# Altium PCB CL-HC-M-V2.1.PcbDoc (part 18 of 19) (continued)
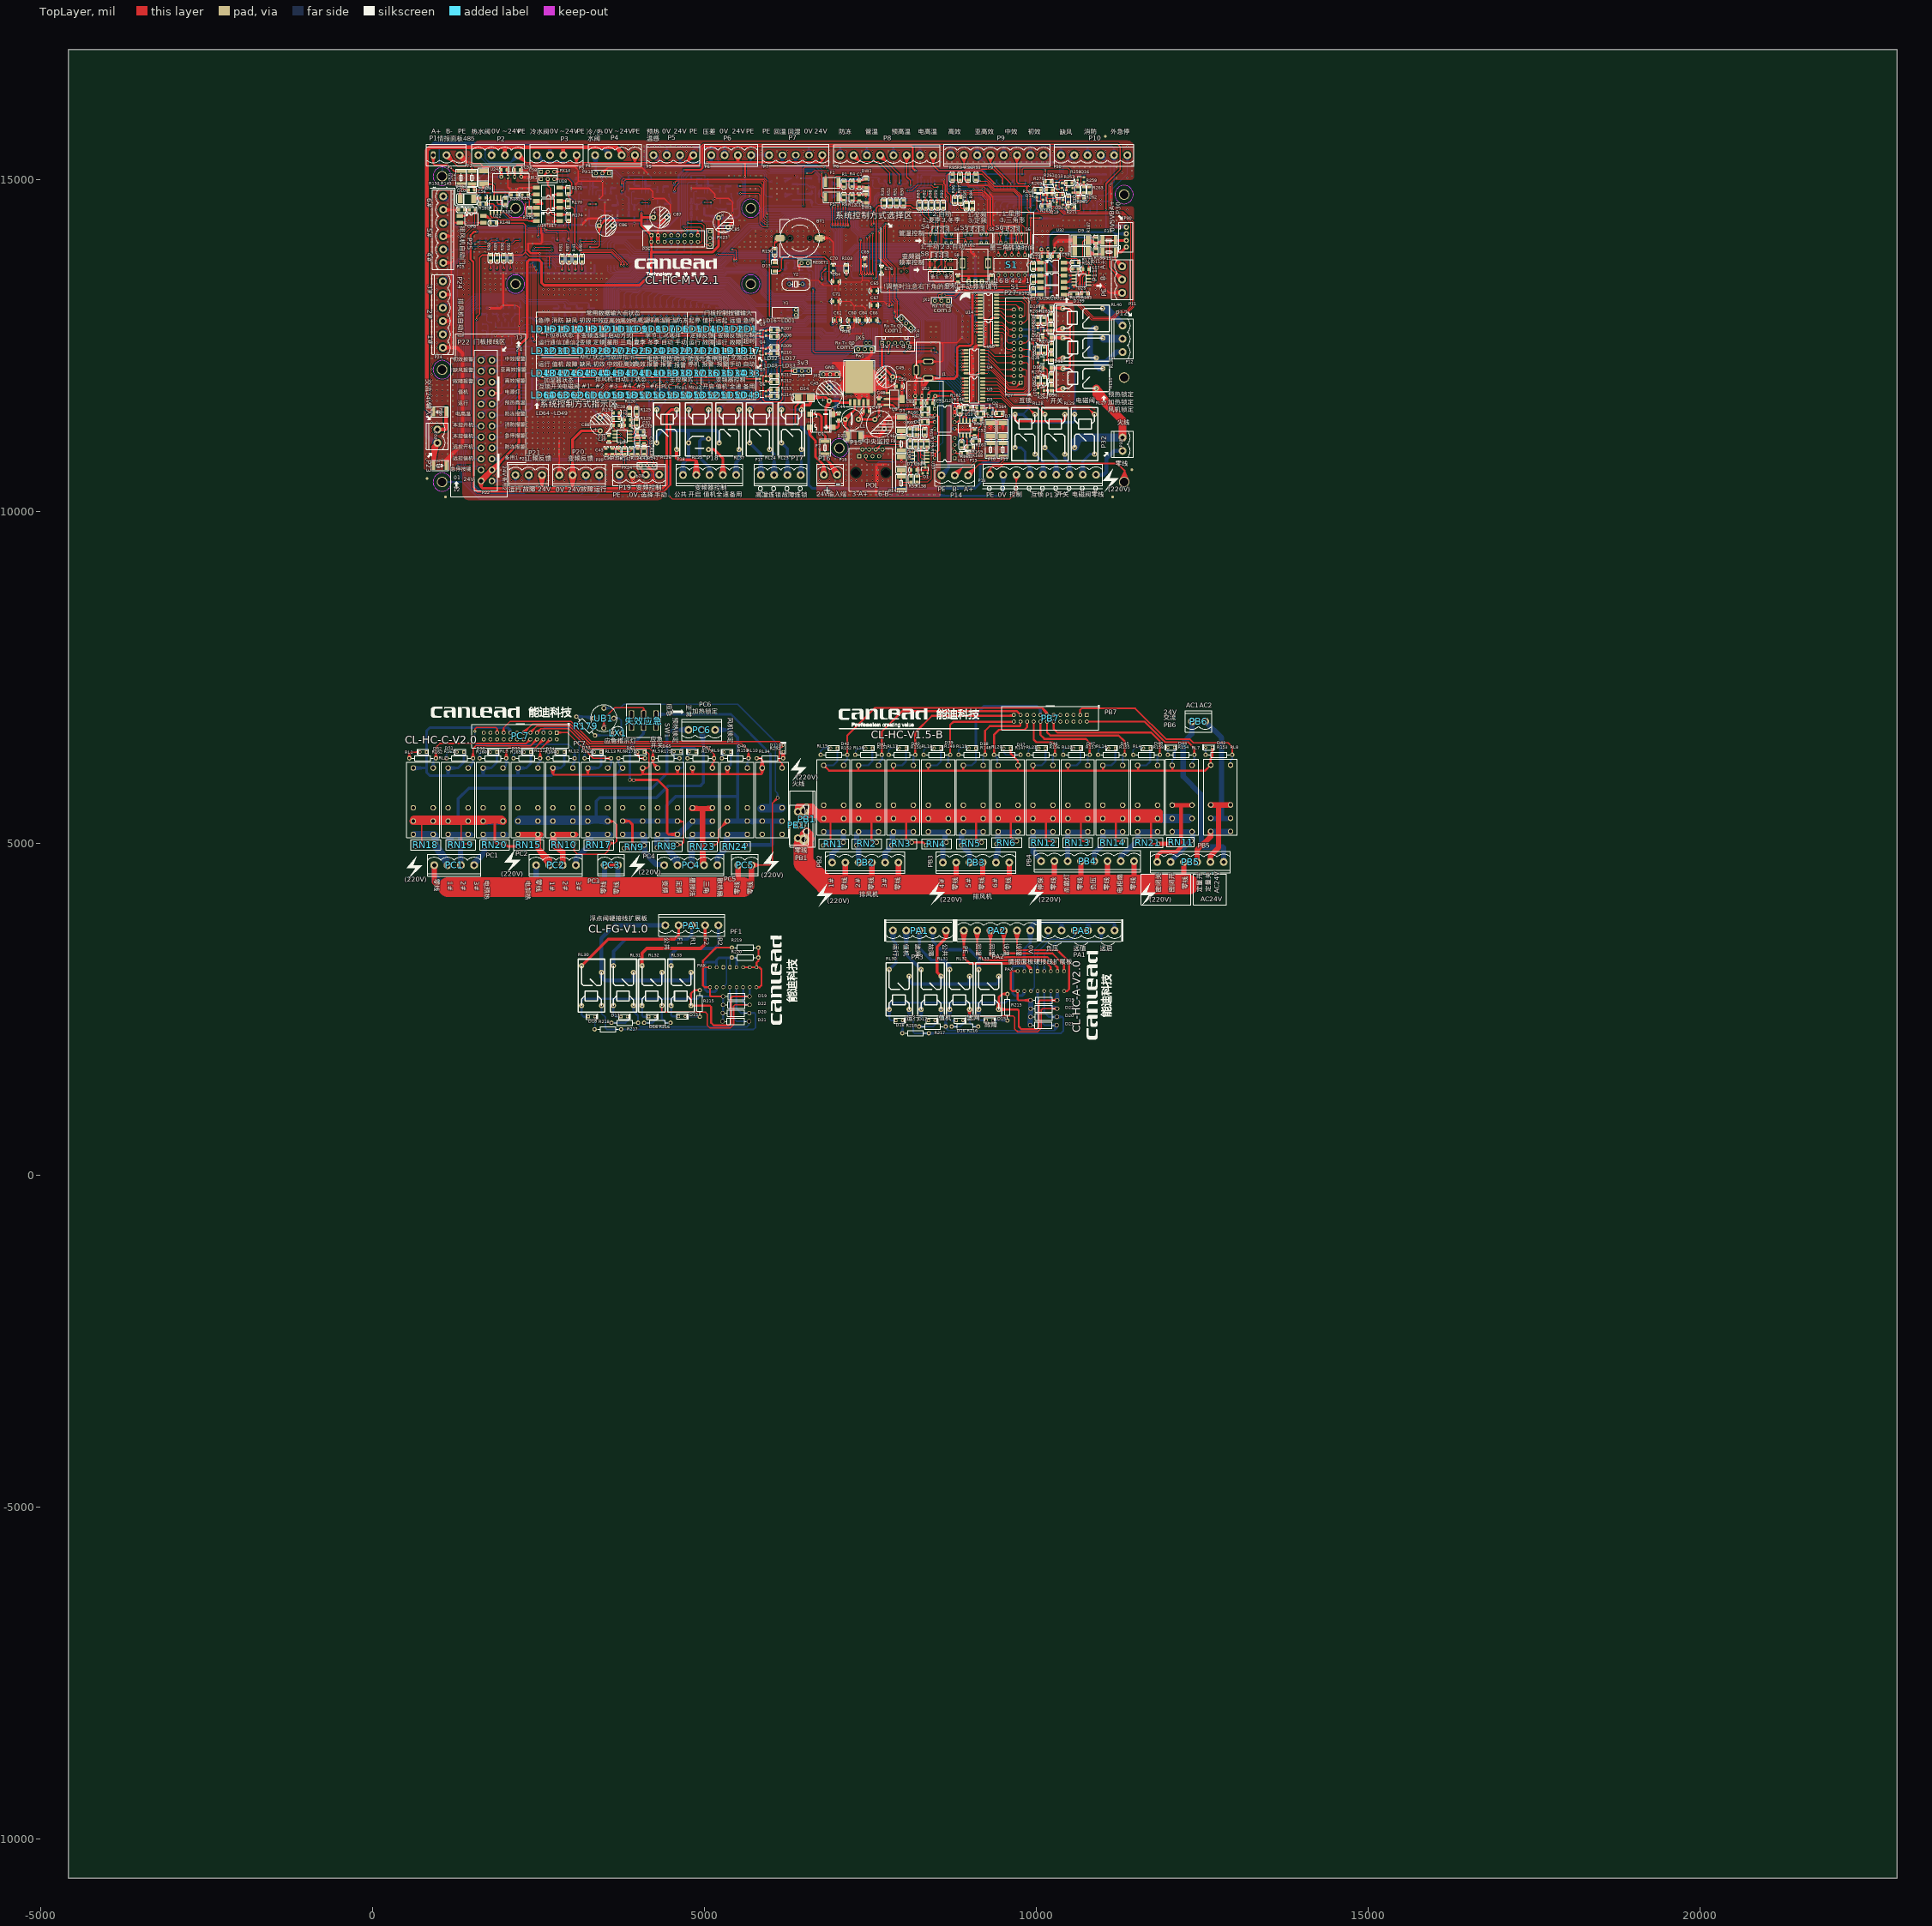
[diagram p0: TopLayer view]
## Nets (pads, with @x,y where several pads share a name; then routed paths per layer and width w, separated by ;. In a path a pad name is that pad's centre, name@x,y a point inside that pad or via, vN(x,y) a via of type N, cw(c..) or ccw(c..) an arc to the next point about the centre after c; other vN are vias at no path point) (continued)
copper on no net:
  other v1: 7968.36,13615.96 8048.36,13615.96 7968.35,13712.67 8048.35,13712.67

## Polygon pours and split planes (outlines as drawn)
485_GND_1 on BottomLayer "BottomLayer-No Net" (solid, remove dead copper, pour order 14): 10250.6,13943.65 10250.6,14062.98 cw(c10350.6,14062.98) 10350.6,14162.98 10356.68,14162.98 11200.86,14162.98 cw(c11200.86,14128.36) 11235.48,14128.36 11235.48,13799.27 ccw(c11253.16,13799.27) 11253.16,13781.59 11373.9,13781.59 cw(c11373.9,13761.76) 11393.74,13761.76 11393.74,13231.77 cw(c11367.22,13231.77) 11367.22,13205.26 10298.41,13205.26 cw(c10298.41,13250.63) 10253.03,13250.63
485-GND1 on BottomLayer "BottomLayer-No Net" (solid, remove dead copper, pour order 12): 8647.38,11334.07 8647.38,11533.36 cw(c8747.38,11533.36) 8747.38,11633.36 8772.38,11633.36 9467.59,11633.36 cw(c9467.59,11533.36) 9567.59,11533.36 9567.59,11509.14 9567.59,10753.15 cw(c9530.6,10753.15) 9530.6,10716.16 8684.57,10716.16 cw(c8684.57,10753.36) 8647.38,10753.36
485_GND_2 on BottomLayer "BottomLayer-No Net" (solid, remove dead copper, pour order 10): 2483.37,14333.15 2485.54,14333.15 ccw(c2485.54,14397.37) 2549.76,14397.37 2549.76,14873.61 ccw(c2479.76,14873.61) 2479.76,14943.61 2109.59,14943.61 cw(c2109.59,14963.08) 2090.12,14963.08 2090.12,15165.12 ccw(c2044.66,15165.12) 2044.66,15210.58 1551.09,15210.58 cw(c1551.09,15276.96) 1484.72,15276.96 1484.72,15357.36 ccw(c1384.72,15357.36) 1384.72,15457.36 1109.51,15457.36 932,15457.36 ccw(c932,15390.96) 865.61,15390.96 865.61,15320.25 865.61,14945.05 ccw(c900.25,14945.05) 900.25,14910.41 1247.52,14910.41 cw(c1247.52,14901.06) 1256.88,14901.06 cw(c1256.88,14888.24) 1269.7,14888.24 1269.7,14621.78 ccw(c1281.24,14621.78) 1281.24,14610.24 1341.85,14610.24 1670.89,14610.24 cw(c1670.89,14548.18) 1732.94,14548.18 1732.94,14500.54 ccw(c1764.68,14500.54) 1764.68,14468.8 1937.88,14468.8 cw(c1937.88,14429.85) 1976.83,14429.85 1976.83,14398.08 ccw(c2041.76,14398.08) 2041.76,14333.15 2477.6,14333.15
GND on BottomLayer "BottomLayer-No Net" (solid, remove dead copper, pour order 16): 902.31,14729.42 902.31,14800.91 cw(c950.6,14800.91) 950.6,14849.2 1200.34,14849.2 cw(c1200.34,14827.51) 1222.03,14827.51 1222.03,14610.06 ccw(c1242.68,14610.06) 1242.68,14589.42 1565.65,14589.42 cw(c1565.65,14565.18) 1589.88,14565.18 1589.88,14514.3 ccw(c1610.6,14514.3) 1610.6,14493.58 1689.85,14493.58 cw(c1689.85,14453.86) 1729.57,14453.86 ccw(c1814.01,14453.86) 1814.01,14369.42 1892.24,14369.42 2274.77,14369.42 2309.97,14369.42 cw(c2309.97,14349.2) 2330.19,14349.2 2330.19,14312.93 2330.19,14291.64 ccw(c2339,14291.64) 2339,14282.84 2534.83,14282.84 ccw(c2534.83,14308.37) 2560.36,14308.37 ccw(c2560.36,14364.99) 2616.98,14364.99 2616.98,14632.63 2616.98,14925.39 ccw(c2581.48,14925.39) 2581.48,14960.89 2222.85,14960.89 cw(c2222.85,15043.36) 2140.38,15043.36 2140.38,15247.93 ccw(c2110.6,15247.93) 2110.6,15277.7 1616.64,15277.7 cw(c1616.64,15377.7) 1516.64,15377.7 1516.64,15495.45 cw(c1610.6,15495.45) 1610.6,15589.42 11373.71,15589.42 cw(c11373.71,15489.42) 11473.71,15489.42 11473.71,15349.42 11473.71,15043.14 cw(c11429.08,15043.14) 11429.08,14998.51 11203.76,14998.51 ccw(c11203.76,14949.42) 11154.67,14949.42 11154.67,14633.53 ccw(c11191.22,14633.53) 11191.22,14596.98 11436.83,14596.98 cw(c11436.83,14564.72) 11469.08,14564.72 11469.08,14324.94 cw(c11410.6,14324.94) 11410.6,14266.45 10292.04,14266.45 ccw(c10292.04,14166.45) 10192.04,14166.45 10192.04,14149.42 10192.04,13187.36 ccw(c10222.34,13187.36) 10222.34,13157.06 10470.6,13157.06 cw(c10470.6,13057.06) 10570.6,13057.06 10570.6,13011.46 10570.6,11709.42 10570.6,11634.17 ccw(c10608.81,11634.17) 10608.81,11595.95 10798.29,11595.95 cw(c10798.29,11495.95) 10898.29,11495.95 10898.29,11489.74 10898.29,11371.68 cw(c10798.29,11371.68) 10798.29,11271.68 10302.22,11271.68 9699.29,11271.68 cw(c9699.29,11347.87) 9623.09,11347.87 9623.09,11589.76 ccw(c9563.44,11589.76) 9563.44,11649.42 8610.93,11649.42 ccw(c8610.93,11598.36) 8559.88,11598.36 8559.88,10269.42 cw(c8459.88,10269.42) 8459.88,10169.42 6790.6,10169.42 cw(c6790.6,10269.42) 6690.6,10269.42 6690.6,10289.42 6690.6,11198.14 ccw(c6590.6,11198.14) 6590.6,11298.14 6510.6,11298.14 4228.39,11298.14 ccw(c4228.39,11269.42) 4199.67,11269.42 4199.67,10862.61 ccw(c4238.92,10862.61) 4238.92,10823.36 4370.6,10823.36 cw(c4370.6,10803.36) 4390.6,10803.36 4390.6,10269.42 cw(c4290.6,10269.42) 4290.6,10169.42 3364.16,10169.42 1456.68,10169.42 cw(c1456.68,10269.42) 1356.68,10269.42 1356.68,10289.42 1356.68,10577.28 ccw(c1310.6,10577.28) 1310.6,10623.36 814.56,10623.36 cw(c814.56,10667.32) 770.6,10667.32 770.6,14698.75 cw(c790.6,14698.75) 790.6,14718.75 891.64,14718.75 ccw(c891.64,14729.42) 902.31,14729.42
485_GND_1 on TopLayer "BottomLayer-No Net" (solid, remove dead copper, pour order 13): 10250.6,13943.65 10250.6,14062.98 cw(c10350.6,14062.98) 10350.6,14162.98 10356.68,14162.98 11200.86,14162.98 cw(c11200.86,14128.36) 11235.48,14128.36 11235.48,13799.27 ccw(c11253.16,13799.27) 11253.16,13781.59 11373.9,13781.59 cw(c11373.9,13761.76) 11393.74,13761.76 11393.74,13231.77 cw(c11367.22,13231.77) 11367.22,13205.26 10298.41,13205.26 cw(c10298.41,13250.63) 10253.03,13250.63
485-GND1 on TopLayer "BottomLayer-No Net" (solid, remove dead copper, pour order 11): 8647.38,11334.07 8647.38,11533.36 cw(c8747.38,11533.36) 8747.38,11633.36 8772.38,11633.36 9467.59,11633.36 cw(c9467.59,11533.36) 9567.59,11533.36 9567.59,11509.14 9567.59,10753.15 cw(c9530.6,10753.15) 9530.6,10716.16 8684.57,10716.16 cw(c8684.57,10753.36) 8647.38,10753.36
485_GND_2 on TopLayer "BottomLayer-No Net" (solid, remove dead copper, pour order 9): 2483.37,14333.15 2485.54,14333.15 ccw(c2485.54,14397.37) 2549.76,14397.37 2549.76,14873.61 ccw(c2479.76,14873.61) 2479.76,14943.61 2109.59,14943.61 cw(c2109.59,14963.08) 2090.12,14963.08 2090.12,15165.12 ccw(c2044.66,15165.12) 2044.66,15210.58 1551.09,15210.58 cw(c1551.09,15276.96) 1484.72,15276.96 1484.72,15357.36 ccw(c1384.72,15357.36) 1384.72,15457.36 1109.51,15457.36 932,15457.36 ccw(c932,15390.96) 865.61,15390.96 865.61,15320.25 865.61,14945.05 ccw(c900.25,14945.05) 900.25,14910.41 1247.52,14910.41 cw(c1247.52,14901.06) 1256.88,14901.06 cw(c1256.88,14888.24) 1269.7,14888.24 1269.7,14621.78 ccw(c1281.24,14621.78) 1281.24,14610.24 1341.85,14610.24 1670.89,14610.24 cw(c1670.89,14548.18) 1732.94,14548.18 1732.94,14500.54 ccw(c1764.68,14500.54) 1764.68,14468.8 1937.88,14468.8 cw(c1937.88,14429.85) 1976.83,14429.85 1976.83,14398.08 ccw(c2041.76,14398.08) 2041.76,14333.15 2477.6,14333.15
GND on TopLayer "BottomLayer-No Net" (solid, remove dead copper, pour order 15): 902.31,14729.42 902.31,14800.91 cw(c950.6,14800.91) 950.6,14849.2 1200.34,14849.2 cw(c1200.34,14827.51) 1222.03,14827.51 1222.03,14610.06 ccw(c1242.68,14610.06) 1242.68,14589.42 1565.65,14589.42 cw(c1565.65,14565.18) 1589.88,14565.18 1589.88,14514.3 ccw(c1610.6,14514.3) 1610.6,14493.58 1689.85,14493.58 cw(c1689.85,14453.86) 1729.57,14453.86 ccw(c1814.01,14453.86) 1814.01,14369.42 1892.24,14369.42 2274.77,14369.42 2309.97,14369.42 cw(c2309.97,14349.2) 2330.19,14349.2 2330.19,14312.93 2330.19,14291.64 ccw(c2339,14291.64) 2339,14282.84 2534.83,14282.84 ccw(c2534.83,14308.37) 2560.36,14308.37 ccw(c2560.36,14364.99) 2616.98,14364.99 2616.98,14632.63 2616.98,14925.39 ccw(c2581.48,14925.39) 2581.48,14960.89 2222.85,14960.89 cw(c2222.85,15043.36) 2140.38,15043.36 2140.38,15247.93 ccw(c2110.6,15247.93) 2110.6,15277.7 1616.64,15277.7 cw(c1616.64,15377.7) 1516.64,15377.7 1516.64,15495.45 cw(c1610.6,15495.45) 1610.6,15589.42 11373.71,15589.42 cw(c11373.71,15489.42) 11473.71,15489.42 11473.71,15349.42 11473.71,15043.14 cw(c11429.08,15043.14) 11429.08,14998.51 11203.76,14998.51 ccw(c11203.76,14949.42) 11154.67,14949.42 11154.67,14633.53 ccw(c11191.22,14633.53) 11191.22,14596.98 11436.83,14596.98 cw(c11436.83,14564.72) 11469.08,14564.72 11469.08,14324.94 cw(c11410.6,14324.94) 11410.6,14266.45 10292.04,14266.45 ccw(c10292.04,14166.45) 10192.04,14166.45 10192.04,14149.42 10192.04,13187.36 ccw(c10222.34,13187.36) 10222.34,13157.06 10470.6,13157.06 cw(c10470.6,13057.06) 10570.6,13057.06 10570.6,13011.46 10570.6,11709.42 10570.6,11634.17 ccw(c10608.81,11634.17) 10608.81,11595.95 10798.29,11595.95 cw(c10798.29,11495.95) 10898.29,11495.95 10898.29,11489.74 10898.29,11371.68 cw(c10798.29,11371.68) 10798.29,11271.68 10302.22,11271.68 9699.29,11271.68 cw(c9699.29,11347.87) 9623.09,11347.87 9623.09,11589.76 ccw(c9563.44,11589.76) 9563.44,11649.42 8610.93,11649.42 ccw(c8610.93,11598.36) 8559.88,11598.36 8559.88,10269.42 cw(c8459.88,10269.42) 8459.88,10169.42 6790.6,10169.42 cw(c6790.6,10269.42) 6690.6,10269.42 6690.6,10289.42 6690.6,11198.14 ccw(c6590.6,11198.14) 6590.6,11298.14 6510.6,11298.14 4228.39,11298.14 ccw(c4228.39,11269.42) 4199.67,11269.42 4199.67,10862.61 ccw(c4238.92,10862.61) 4238.92,10823.36 4370.6,10823.36 cw(c4370.6,10803.36) 4390.6,10803.36 4390.6,10269.42 cw(c4290.6,10269.42) 4290.6,10169.42 3364.16,10169.42 1456.68,10169.42 cw(c1456.68,10269.42) 1356.68,10269.42 1356.68,10289.42 1356.68,10577.28 ccw(c1310.6,10577.28) 1310.6,10623.36 814.56,10623.36 cw(c814.56,10667.32) 770.6,10667.32 770.6,14698.75 cw(c790.6,14698.75) 790.6,14718.75 891.64,14718.75 ccw(c891.64,14729.42) 902.31,14729.42

## Keep-outs
KeepOutLayer:
  circle w3.94: c11324.89,14775.52 r137.8
  circle w3.94: c7033.56,10956.63 r137.8
  circle w3.94: c1049.3,10444.81 r137.8
  circle w3.94: c1049.3,12137.73 r137.8
  circle w3.94: c5698.74,13428.12 r137.8
  circle w3.94: c5698.74,14569.85 r137.8
  circle w3.94: c2155.43,13428.12 r137.8
  circle w3.94: c1049.3,15051.11 r137.8
  circle w3.94: c2155.43,14569.85 r137.8

## Other copper
TopLayer:
  region net L: 11887.1,5303.59 11903.08,5319.57 11903.08,5484.72 11876.44,5511.36 6724.79,5511.36 6640.21,5595.93 6395.68,5595.93 6365.1,5565.36 6365.1,5448.85 6432.44,5381.5 6677.5,5381.5 6744.76,5314.24
BottomLayer:
  region net L: 11887.1,5303.59 11903.08,5319.57 11903.08,5484.72 11876.44,5511.36 6724.79,5511.36 6640.21,5595.93 6395.68,5595.93 6365.1,5565.36 6365.1,5448.85 6432.44,5381.5 6677.5,5381.5 6744.76,5314.24

## Silkscreen, mask and mechanical layers (free items; w line width, h text height)
TopOverlay:
  drawing of 10397 lines, arcs and shapes, not listed
  text "A+" at 889.29,15667.91 h118.11
  text "B-" at 1111.73,15667.91 h118.11
  text "PE" at 1287.92,15667.91 h118.11
  text "PE" at 2189.35,15667.91 h118.11
  text "PE" at 3080.1,15667.91 h118.11
  text "PE" at 3911.79,15667.91 h118.11
  text "PE" at 4777.94,15667.91 h118.11
  text "PE" at 5631.28,15667.91 h118.11
  text "PE" at 5878.33,15667.91 h118.11
  text "0V" at 1796.64,15666.93 h118.11
  text "~24V" at 1955.1,15666.93 h118.11
  text "0V" at 2675.57,15666.93 h118.11
  text "~24V" at 2819.27,15666.93 h118.11
  text "0V" at 3490.53,15666.93 h118.11
  text "~24V" at 3644.08,15666.93 h118.11
  text "0V" at 4363.57,15666.93 h118.11
  text "24V" at 4539.75,15666.93 h118.11
  text "0V" at 5232.66,15666.93 h118.11
  text "24V" at 5418.68,15666.93 h118.11
  text "0V" at 6500.38,15666.93 h118.11
  text "24V" at 6661.79,15666.93 h118.11
  text "回湿" at 6256.28,15662.99 h118.11
  text "回温" at 6047.62,15662.01 h118.11
  text "冷/热" at 3228.72,15661.02 h118.11
  text "预热" at 4132.27,15661.02 h118.11
  text "管温" at 7424.59,15661.02 h118.11
  text "热水阀" at 1490.53,15660.04 h118.11
  text "冷水阀" at 2373.41,15660.04 h118.11
  text "压差" at 4978.72,15660.04 h118.11
  text "防冻" at 7024.98,15660.04 h118.11
  text "预高温" at 7824.2,15660.04 h118.11
  text "电高温" at 8223.8,15660.04 h118.11
  text "高效" at 8674.59,15660.04 h118.11
  text "亚高效" at 9074.2,15660.04 h118.11
  text "中效" at 9524.98,15660.04 h118.11
  text "初效" at 9875.38,15660.04 h118.11
  text "消防" at 10723.8,15660.04 h118.11
  text "外急停" at 11125.38,15660.04 h118.11
  text "缺风" at 10354.42,15657.41 h118.11
  text "P4" at 3591.91,15569.49 h118.11
  text "P5" at 4447.23,15569.49 h118.11
  text "P7" at 6273.01,15569.49 h118.11
  text "P6" at 5288.76,15568.5 h118.11
  text "P8" at 7700.18,15568.5 h118.11
  text "P9" at 9410.81,15568.5 h118.11
  text "P1" at 854.71,15567.52 h118.11
  text "P10" at 10794.67,15567.52 h118.11
  text "情报面板485" at 976.75,15562.6 h118.11
  text "水阀" at 3241.52,15562.6 h118.11
  text "温感" at 4132.27,15562.6 h118.11
  text "P2" at 1878.04,15554.07 h118.11
  text "P3" at 2830.8,15551.11 h118.11
  text "6#" at 798.16,14719.49 h118.11 r270
  text "A+" at 11201.92,14538.64 h118.11 r90
  text "P30" at 11299.27,14481.11 h118.11 r90
  text "B-" at 11201.92,14466.64 h118.11 r90
  text "1,星形" at 9487.09,14428.99 h118.11
  text "2,自动" at 8441.26,14423.04 h118.11
  text "1,变频" at 8970.22,14416.29 h118.11
  text "系统控制方式选择区" at 6974.65,14384.99 h160
  text "5V" at 11206.92,14337.69 h118.11 r90
  text "1,夏季" at 8285.27,14334.21 h118.11
  text "3,冬季" at 8576.61,14331.26 h118.11
  text "3,三角形" at 9456.25,14331.96 h118.11
  text "3,定频" at 8976.55,14324.7 h118.11
  text "排风机自动门" at 1297.12,14301.91 h118.11 r270
  text "5#" at 801.82,14265.85 h118.11 r270
  text "S4" at 8265.24,14226.57 h118.11
  text "S5" at 8852.5,14215.73 h118.11
  text "S6" at 9382.5,14215.73 h118.11
  text "0V" at 11207.09,14212.84 h118.11 r90
  text "管温控制" at 7933.76,14131.56 h118.11
  text "P25" at 1404.38,14127.21 h118.11 r270
  text "1,手动" at 8263.83,13930.25 h118.11
  text "２3,自动" at 8547.65,13928.44 h118.11
  text "星三角" at 9302.1,13919.37 h118.11
  text "转换时间" at 9587.73,13914.85 h118.11
  text "4#" at 799.99,13901.84 h118.11 r270
  text "S8" at 8262.49,13819.21 h118.11
  text "变频器" at 7979.1,13783.33 h118.11
  text "频率控制" at 7930.12,13690.85 h118.11
  text "A+" at 11063.82,13647.79 h118.11 r90
  text "P24" at 1259.58,13534.19 h118.11 r270
  text "备1" at 8410.89,13489.33 h100
  text "备2" at 8616.68,13489.33 h100
  text "B-" at 11071.39,13480.46 h118.11 r90
  text "P11" at 10939.65,13463.05 h118.11 r90
  text "16" at 9380.07,13414.28 h118.11
  text "8" at 9526.87,13414.28 h118.11
  text "4" at 9618.93,13414.28 h118.11
  text "2" at 9725.98,13414.28 h118.11
  text "1" at 9844.28,13414.28 h118.11
  text "3#" at 808.56,13413.59 h118.11 r270
  text "CL-HC-M-V2.1" at 4108.1,13389.13 h200
  text "!调整时注意右下角的显示!" at 7707.06,13331.77 h118.11
  text "S1" at 9617.07,13326.1 h118.11
  text "手动频率调节" at 8846.89,13324.52 h118.11
  text "PE" at 11084.23,13239.08 h118.11 r90
  text "P27" at 9520.72,13231.09 h118.11
  text "排风机自动门" at 1268.01,13210.85 h118.11 r270
  text "Rx Tx G0" at 8437.91,13053.83 h80
  text "2#" at 808.56,13041.88 h118.11 r270
  text "com3" at 8453.49,12975.3 h120
  text "P12" at 11198.91,12930.05 h118.11
  text "常用数据输入点状态" at 3223.87,12927.46 h110
  text "门板控制按键输入" at 4995.3,12927.25 h110
  text "LD16~LD01" at 5889.69,12825.75 h100
  text "急停" at 2500.94,12819.59 h110
  text "消防" at 2706.84,12819.58 h110
  text "防冻" at 4580.27,12819.59 h110
  text "起停" at 4763.49,12819.49 h110
  text "值机" at 4969.28,12819.49 h110
  text "远起" at 5175.07,12819.49 h110
  text "远值" at 5380.86,12819.49 h110
  text "急停" at 5586.66,12819.49 h110
  text "缺风" at 2912,12818.04 h110
  text "初效" at 3118.21,12818.04 h110
  text "电高温" at 3900.13,12817.27 h110
  text "预高温" at 4153.44,12817.27 h110
  text "管温" at 4407.42,12817.9 h110
  text "中效" at 3306.9,12817 h110
  text "高效" at 3728.95,12815.74 h110
  text "亚高效" at 3473.32,12814.97 h110
  text "Rx Tx G0" at 7703.28,12752.9 h80
  text "com1" at 7718.87,12674.36 h120
  text "1#" at 810.97,12660.52 h118.11 r270
  text "下位机状态" at 2582.19,12600.4 h110
  text "季节工况选择" at 4106.44,12599.92 h110
  text "控制" at 5585.14,12598.41 h110
  text "启动方式" at 3553.74,12596.9 h110
  text "定频反馈" at 4786.62,12596.89 h110
  text "变频反馈" at 5198.2,12596.89 h110
  text "变频选择" at 3143.38,12595.38 h110
  text "13" at 2161.56,12576.28 h100
  text "超时" at 5588.88,12512.09 h110
  text "Rx Tx G0" at 6975.88,12499.78 h80
  text "门板接线区" at 1522.38,12498.37 h118.11
  text "运行" at 2500.68,12491.87 h110
  text "变频" at 3117.17,12491.87 h110
  text "定频" at 3322.96,12491.87 h110
  text "星形" at 3528.75,12491.87 h110
  text "三角" at 3734.54,12491.87 h110
  text "夏季" at 3940.33,12491.87 h110
  text "冬季" at 4146.12,12491.87 h110
  text "自动" at 4351.91,12491.87 h110
  text "手动" at 4557.7,12491.87 h110
  text "运行" at 4763.49,12491.87 h110
  text "故障" at 4969.28,12491.87 h110
  text "运行" at 5175.07,12491.87 h110
  text "故障" at 5380.86,12491.87 h110
  text "通信1" at 2674.79,12490.29 h110
  text "通信2" at 2887.79,12491.01 h110
  text "P22" at 1285.93,12488.37 h118.11
  text "3v r c d g" at 7661.88,12432.93 h120
  text "com5" at 6991.47,12421.25 h120
  text "24" at 2160.73,12396.24 h100
  text "AHU 状态与故障指示" at 3126.71,12272.84 h110
  text "变频器AO" at 5396.42,12265.27 h110
  text "LD32~LD17" at 5900.54,12255.53 h100
  text "中效报警" at 1996.63,12253.34 h100
  text "初效报警" at 1211.13,12245.98 h100
  text "电热" at 4133.26,12245.71 h110
  text "预热" at 4339.05,12245.71 h110
  text "防冻" at 4543.03,12245.4 h110
  text "防冻" at 4755.18,12245.4 h110
  text "外急停" at 4925.62,12245.16 h110
  text "消防" at 5186.98,12245.89 h110
  text "3v3" at 6385.51,12182.22 h120
  text "运行" at 2499.8,12158.78 h110
  text "值机" at 2705.59,12158.88 h110
  text "故障" at 2911.38,12158.88 h110
  text "缺风" at 3117.17,12158.88 h110
  text "初效" at 3322.96,12158.88 h110
  text "中效" at 3528.75,12158.88 h110
  text "亚高效" at 3694.7,12158.88 h110
  text "高效" at 3940.33,12158.88 h110
  text "报警" at 4133.26,12158.88 h110
  text "报警" at 4339.05,12158.88 h110
  text "停机" at 4755.18,12158.88 h110
  text "报警" at 4967.86,12158.88 h110
  text "报警" at 5186.88,12158.52 h110
  text "手动" at 5380.87,12158.88 h110
  text "自动" at 5586.66,12158.88 h110
  text "报警" at 4543.03,12151.31 h110
  text "LD48~LD33" at 5901.33,12145.36 h100
  text "GND" at 6817.31,12129.92 h80
  text "亚高效报警" at 1932.64,12087.66 h100
  text "缺风报警" at 1211.13,12085.98 h100
  text "交流24V" at 785.13,11995.27 h118.11 r270
  text "排风机 自动门 状态" at 3358.17,11935.44 h110
  text "主控模式" at 4476.35,11935.07 h110
  text "变频器控制" at 5172.14,11929.1 h110
  text "高效报警" at 1996.63,11922.63 h100
  text "加湿器状态" at 2582.05,11918.51 h110
  text "故障报警" at 1211.13,11915.98 h100
  text "#1" at 3151.58,11832.2 h110
  text "#2" at 3357.37,11832.2 h110
  text "#3" at 3563.16,11832.2 h110
  text "#4" at 3768.95,11832.2 h110
  text "#5" at 3974.74,11832.2 h110
  text "#6" at 4180.53,11832.2 h110
  text "互锁" at 2501.7,11825.91 h110
  text "开关" at 2682.38,11825.91 h110
  text "电磁阀" at 2854.21,11825.28 h110
  text "PLC" at 4352.46,11825.9 h110
  text "Mcu1" at 4558.25,11825.9 h90
  text "Mcu2" at 4764.04,11825.9 h90
  text "开启" at 4969.83,11825.9 h110
  text "值机" at 5175.62,11825.9 h110
  text "全速" at 5381.41,11825.9 h110
  text "备用" at 5587.2,11825.9 h110
  text "电源灯" at 1996.63,11757.27 h100
  text "值机" at 1291.13,11755.98 h100
  text "预热锁定" at 11081.61,11700.84 h118.11
  text "输入" at 790.63,11636.68 h118.11 r270
  text "互锁" at 9742.38,11609.18 h118.11
  text "电磁阀" at 10602.38,11609.18 h118.11
  text "开关" at 10209.89,11604.45 h118.11
  text "预热高温" at 1996.63,11591.92 h100
  text "运行" at 1291.13,11585.98 h100
  text "加热锁定" at 11081.61,11583.72 h118.11
  text "系统控制方式指示区" at 2522.06,11543.6 h160
  text "风机锁定" at 11081.61,11476.44 h118.11
  text "LD64~LD49" at 2462.95,11432.59 h100
  text "防冻报警" at 1996.63,11426.56 h100
  text "电高温" at 1251.13,11425.98 h100
  text "火线" at 11217.32,11279.47 h118.11
  text "消防报警" at 1996.63,11261.21 h100
  text "本控开机" at 1211.13,11255.98 h100
  text "急停报警" at 1996.63,11095.85 h100
  text "本控值机" at 1211.13,11085.98 h100
  text "中央监控" at 7408.82,10993.64 h118.11
  text "P15" at 7197.28,10978.02 h118.11
  text "P32" at 11079.82,10953.67 h118.11 r90
  text "防冻报警" at 1996.63,10930.5 h100
  text "远控开机" at 1211.13,10925.98 h100
  text "P20" at 3005.82,10833.65 h118.11
  text "P21" at 2348.8,10822.1 h118.11
  text "P23" at 787.89,10773.86 h118.11 r270
  text "备用1" at 1996.63,10765.15 h100
  text "远控值机" at 1211.13,10755.98 h100
  text "P18" at 5030.35,10749.42 h118.11
  text "P17" at 6311.51,10745.32 h118.11
  text "变频反馈" at 2945.17,10742.68 h118.11
  text "工频反馈" at 2312.38,10740.6 h118.11
  text "P16" at 6718.91,10740.04 h118.11
  text "24V" at 1940.38,10688.36 h100 r270
  text "零线" at 11195.34,10661.2 h118.11
  text "急停按键" at 1182.38,10588.37 h100
  text "备用2" at 1949.37,10517.29 h100 r270
  text "01" at 1222.38,10461.29 h100
  text "24V" at 1372.38,10438.37 h100
  text "+" at 6762.38,10384.3 h200 r270
  text "POL" at 7435.26,10333.79 h118.11
  text "P19" at 3714.81,10298.36 h118.11
  text "变频控制" at 3972.18,10298.36 h118.11
  text "变频器控制" at 4858.23,10298.16 h118.11
  text "12" at 1221.56,10281.25 h100
  text "-" at 6975.92,10278.36 h300
  text "PE" at 8516.82,10277.9 h118.11
  text "B-" at 8740.73,10277.9 h118.11
  text "A+" at 8915.86,10277.9 h118.11
  text "故障" at 2266.32,10274.51 h118.11
  text "故障" at 3138.49,10275.01 h118.11
  text "运行" at 3338.49,10275.01 h118.11
  text "24V" at 2494.6,10273.89 h118.11
  text "(220V)" at 11085.37,10271.9 h118.11
  text "运行" at 2051.17,10268.98 h118.11
  text "0V" at 2764.85,10267.88 h118.11
  text "24V" at 2944.67,10266.67 h118.11
  text "24V输入端" at 6690.27,10205.81 h118.11
  text "3-A+" at 7227.36,10203.4 h118.11
  text "6-B-" at 7621.59,10201 h118.11
  text "公共" at 4543.69,10198.36 h118.11
  text "开启" at 4762.38,10198.36 h118.11
  text "值机" at 4982.38,10198.36 h118.11
  text "全速" at 5182.38,10198.36 h118.11
  text "备用" at 5382.38,10198.36 h118.11
  text "控制" at 9600.77,10196.14 h118.11
  text "互锁" at 9922.62,10196.14 h118.11
  text "开关" at 10301.56,10196.14 h118.11
  text "电磁阀" at 10541.71,10196.14 h118.11
  text "零线" at 10832.07,10196.14 h118.11
  text "PE" at 9250.38,10193.19 h118.11
  text "0V" at 9424.59,10193.19 h118.11
  text "PE" at 3621.08,10192.47 h118.11
  text "0V" at 3865.95,10192.47 h118.11
  text "选择" at 4041.6,10192.47 h118.11
  text "手动" at 4248.54,10192.47 h118.11
  text "高温连锁" at 5771.18,10192.89 h118.11
  text "故障连锁" at 6170.19,10192.89 h118.11
  text "P13" at 10139.77,10183.18 h118.11
  text "P14" at 8705.57,10182.57 h118.11
  text "应急" at 4413.68,7105.72 h118.11 r270
  text "正常" at 4705.02,7088.01 h118.11 r270
  text "PC6" at 4919.59,7029.94 h118.11
  text "AC1" at 12262.46,7020.33 h118.11
  text "AC2" at 12462.26,7018.36 h118.11
  text "加热锁定" at 4815.26,6929.54 h118.11
  text "24V" at 11924.22,6918.58 h118.11
  text "PB7" at 11033.41,6914.7 h118.11
  text "风机锁定" at 5332.4,6899.13 h118.11 r270
  text "预热锁定" at 4506.39,6898.57 h118.11 r270
  text "交流" at 11914.22,6838.58 h118.11
  text "SW1" at 4385.87,6811.89 h118.11 r270
  text "PB6" at 11923.41,6724.7 h118.11
  text "CL-HC-V1.5-B" at 7511.53,6540.79 h200
  text "应急" at 4187.33,6505.99 h118.11
  text "应急指示灯" at 3491.67,6479.84 h118.11
  text "CL-HC-C-V2.0" at 486.01,6462.54 h200
  text "PC7" at 3024.98,6446.3 h118.11
  text "开关" at 4188.57,6412.88 h118.11
  text "(220V)" at 6382.44,5935.37 h118.11
  text "火线" at 6323.8,5837.65 h118.11
  text "PB5" at 12435.93,4908.43 h118.11
  text "零线" at 6363.8,4837.65 h118.11
  text "PC2" at 2153.81,4782.23 h118.11
  text "PC1" at 1708,4754.87 h118.11
  text "PC4" at 4075.78,4746.87 h118.11
  text "PB1" at 6370.95,4720.17 h118.11
  text "PB4" at 9951.05,4647.17 h118.11 r90
  text "PB3" at 8465.47,4637.55 h118.11 r90
  text "PB2" at 6797.2,4635.15 h118.11 r90
  text "(220V)" at 4008.09,4506 h118.11
  text "星接法" at 4765.03,4486.3 h118.11 r270
  text "(220V)" at 1937.75,4481.39 h118.11
  text "散热扇" at 5180.03,4481.3 h118.11 r270
  text "零线" at 910.03,4466.3 h118.11 r270
  text "(220V)" at 5859.63,4462.24 h118.11
  text "零线" at 2445.03,4461.3 h118.11 r270
  text "变频" at 4355.03,4441.3 h118.11 r270
  text "定频" at 4560.03,4441.3 h118.11 r270
  text "电预热" at 1661.71,4438.4 h118.11 r270
  text "电加热" at 2287.7,4436.43 h118.11 r270
  text "三角" at 4975.03,4436.3 h118.11 r270
  text "2#" at 1310.03,4431.3 h118.11 r270
  text "3#" at 1510.03,4431.3 h118.11 r270
  text "1#" at 1110.03,4426.3 h118.11 r270
  text "2#" at 2845.03,4426.3 h118.11 r270
  text "3#" at 3045.03,4426.3 h118.11 r270
  text "1#" at 2645.03,4421.3 h118.11 r270
  text "PC5" at 5297.61,4400.71 h118.11
  text "(220V)" at 482.76,4393.87 h118.11
  text "PC3" at 3242.31,4371.99 h118.11
  text "1#" at 6974.74,4330.16 h118.11 r90
  text "5#" at 9044.74,4330.1 h118.11 r90
  text "2#" at 7374.74,4329.35 h118.11 r90
  text "3#" at 7774.74,4329.35 h118.11 r90
  text "6#" at 9444.74,4328.84 h118.11 r90
  text "4#" at 8644.74,4326.64 h118.11 r90
  text "零线" at 12306.92,4307.29 h118.11 r90
  text "负压" at 10924.74,4292.17 h118.11 r90
  text "零线" at 7174.74,4291.25 h118.11 r90
  text "零线" at 7574.74,4291.25 h118.11 r90
  text "零线" at 7974.74,4291.25 h118.11 r90
  text "零线" at 8844.74,4291.25 h118.11 r90
  text "零线" at 9244.74,4291.25 h118.11 r90
  text "零线" at 9644.74,4291.25 h118.11 r90
  text "停保" at 10124.74,4291.42 h118.11 r90
  text "零线" at 10324.74,4291.25 h118.11 r90
  text "零线" at 10724.74,4291.25 h118.11 r90
  text "零线" at 11124.74,4291.25 h118.11 r90
  text "零线" at 11524.74,4291.25 h118.11 r90
  text "定量关" at 12655.37,4267.65 h118.11 r90
  text "密闭关" at 11906.92,4263.13 h118.11 r90
  text "密闭开" at 12106.92,4263.19 h118.11 r90
  text "定量开" at 12527.71,4262.65 h118.11 r90
  text "电柜扇" at 11324.74,4249.97 h118.11 r90
  text "杀菌灯" at 10524.74,4248.36 h118.11 r90
  text "AC24V" at 12780.37,4247.65 h118.11 r90
  text "零线" at 3544.67,4235.19 h118.11 r90
  text "零线" at 3739.2,4225.34 h118.11 r90
  text "零线" at 5551.41,4225.34 h118.11 r90
  text "零线" at 5751.41,4225.34 h118.11 r90
  text "排风机" at 7338.84,4169.62 h118.11
  text "排风机" at 9050.76,4137.79 h118.11
  text "AC24V" at 12478.84,4099.62 h118.11
  text "(220V)" at 8549.32,4094.11 h118.11
  text "(220V)" at 10035.97,4094.11 h118.11
  text "(220V)" at 11702.42,4089.62 h118.11
  text "(220V)" at 6854.74,4074.11 h118.11
  text "浮点阀硬接线扩展板" at 3274.9,3805.37 h118.11
  text "CL-FG-V1.0" at 3254.9,3615.37 h200
  text "PF1" at 5394.9,3605.37 h118.11
  text "公共" at 4380.48,3580.22 h118.11 r270
  text "F1" at 4570.75,3580.22 h118.11 r270
  text "R1" at 4772.81,3580.22 h118.11 r270
  text "F2" at 4974.88,3580.22 h118.11 r270
  text "R2" at 5176.94,3580.22 h118.11 r270
  text "回温" at 9072.07,3493.34 h118.11 r270
  text "回湿" at 9272.07,3493.34 h118.11 r270
  text "设温" at 9492.07,3493.34 h118.11 r270
  text "设湿" at 9682.07,3493.34 h118.11 r270
  text "运行" at 7830,3482.82 h118.11 r270
  text "值机" at 7980,3482.82 h118.11 r270
  text "滤网" at 8160,3482.82 h118.11 r270
  text "故障" at 8360,3482.82 h118.11 r270
  text "公共" at 8570,3482.82 h118.11 r270
  text "0V" at 9862.07,3463.34 h118.11 r270
  text "PE" at 8872.07,3453.34 h118.11 r270
  text "负压" at 10150.21,3355.43 h118.11
  text "远启" at 10961.27,3355.21 h118.11
  text "远值" at 10561.27,3354.42 h118.11
  text "PA1" at 10560.91,3258.15 h118.11
  text "PA2" at 9335.62,3231.84 h118.11
  text "PA3" at 8120.87,3229.22 h118.11
  text "情报面板硬接线扩展板" at 9580.16,3155.6 h118.11
  text "滤网" at 8957,2307.63 h118.11
  text "值机" at 8529.73,2306.32 h118.11
  text "运行" at 8048.56,2303.69 h118.11
  text "故障" at 9223.88,2207.72 h118.11
  text "CL-HC-A-V2.0" at 10701.59,2147.36 h200 r90